# Altium PCB PowerElec.PcbDoc (part 2 of 2)
Units mm, origin at the board's own origin, x right, y up, seen from the top; angles counter-clockwise.
Board outline 168 x 71 mm, 4 copper layers (Top Layer, GND, PWR, Bottom Layer), stack 0.603 mm thick; 165 components, 62 nets, 478 pads, 737 vias.
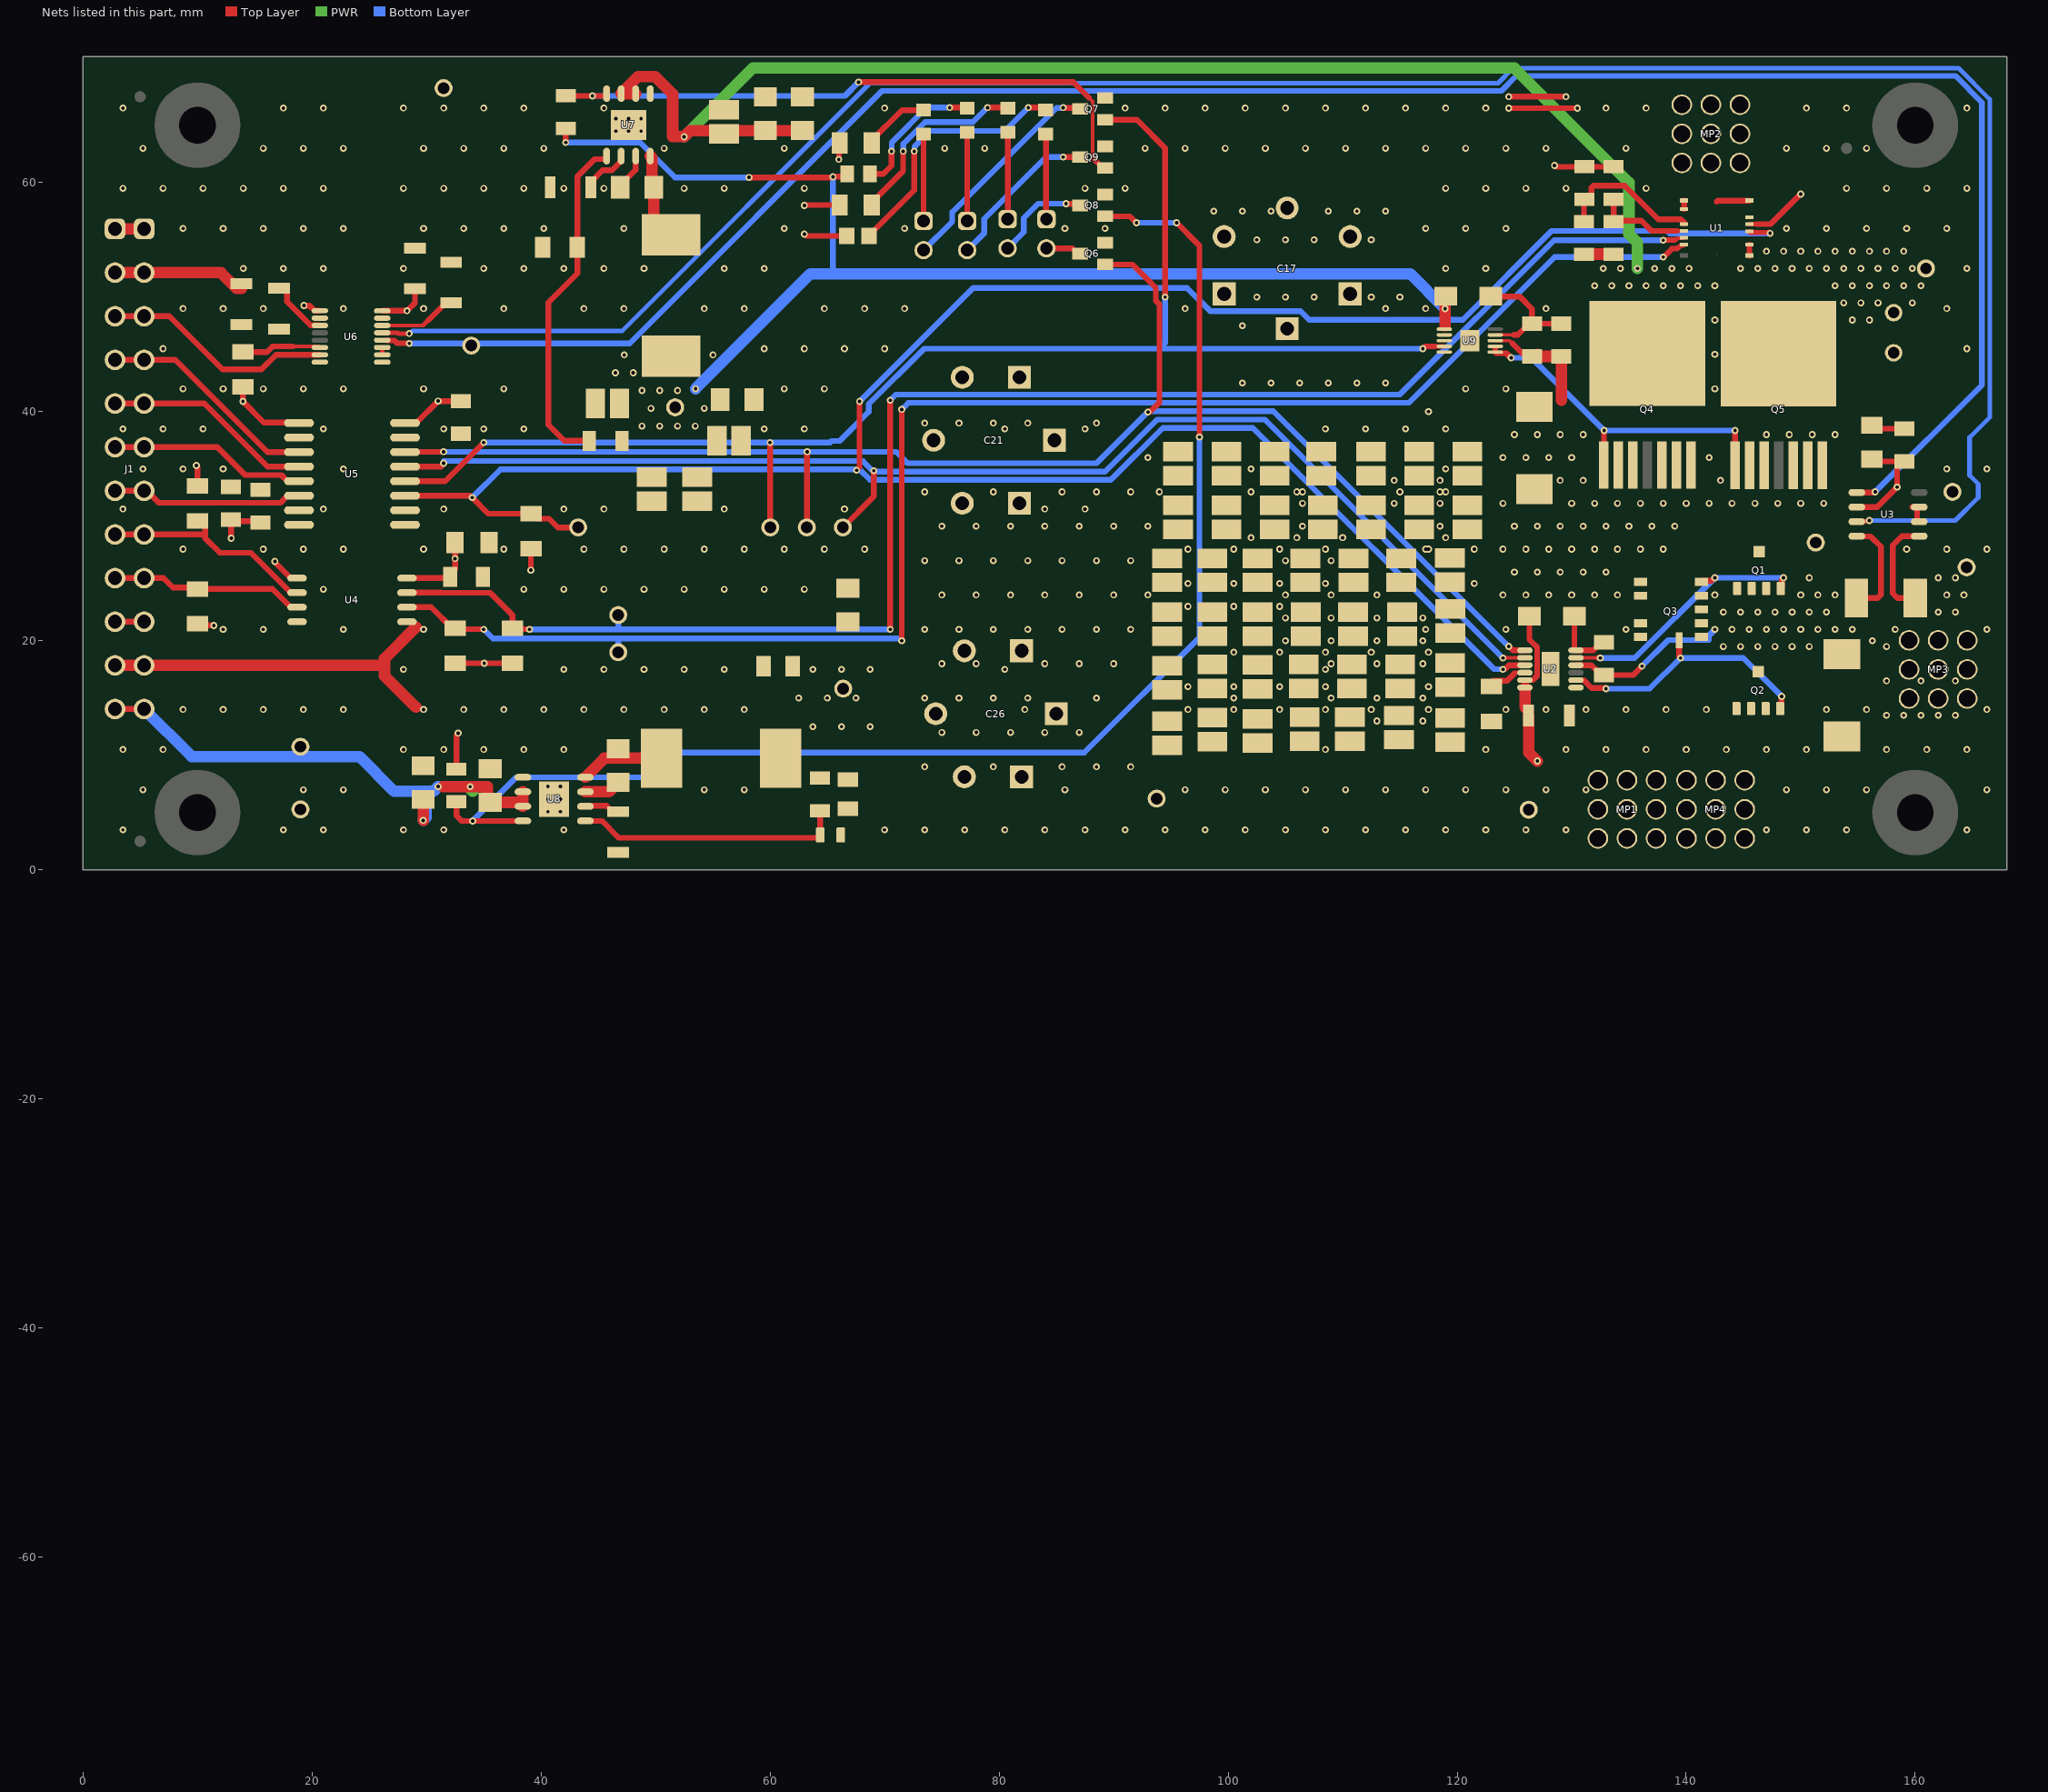
[diagram p3: the nets of this part, all layers, seen from the top]

## Part data
"5V ISO" +3V3 +11V MOT "P IN1" "P IN2" VBAT: library part CMP-00030-00004-2, "Cable Wrap, 1/2 Inch, Polyethylene, Natural, 50 Ft, Spirap Series"
AGND1 AGND2 AGND3 "GND ISO": library part CMP-00030-00001-2, "Test Point, Mini, Thm, Pc, .300 L, .100 Od, Heat Resistant Nylon 46, Black"
C1 C2 C3 C4 C5 C6 C7 C8 C9 C10 C11 C12 C14 C15 C16 C18 C19 C20 C22 C23 C24 C27 C28 C29 C30 C31 C32 C34 C35 C36 C38 C39 C40 C43 C44 C45 C46 C47 C48 C49 C50 C51 C62 C66 C67 C68 C69: library part CMP-001-00085-1, "50V 10uF X7S ±10% 1210 Multilayer Ceramic Capacitors MLCC - SMD/SMT ROHS"
C13 C42 C52 C53 C55 C56 C78 C79: library part CMP-001-00083-1, "Ceramic Capacitor, Multilayer, Ceramic, 200V, 10% +Tol, 10% -Tol, X7R, 15% TC, 0.01uF, 1206"
C17 C21 C26: library part CMP-001-00084-4, "Radial Can ALUMINUM ELECTROLYTIC CAPACITOR UVR 63V 4700muF ±20% 0.866Dia 22.00mm"
C25 C57 C58 C59 C60 C70 C77: library part CMP-001-00086-1, "Ceramic Capacitor, Multilayer, Ceramic, 50V, 10% +Tol, 10% -Tol, X7R, +-15% TC, 1uF, Surface Mount, 1206 inch"
C41 C54: library part CMP-001-00090-1, "Ceramic Capacitor, Multilayer, Ceramic, 500V, 10% +Tol, 10% -Tol, X7R, +-15% TC, 1nF, Surface Mount, 1206 inch"
C61 C63 C64 C65 C71 C72 C73 C74: library part CMP-001-00089-1, "50V 100nF X7R ±10% 1206 Multilayer Ceramic Capacitors MLCC - SMD/SMT ROHS"
C75 C76: library part CMP-001-00087-1, "Ceramic Capacitor, Multilayer, Ceramic, 10V, 20% +Tol, 20% -Tol, X5R, +-15% TC, 47uF, Surface Mount, 1206 inch"
D1 D2: library part CMP-004-00033-2, "Rectifier Diode, Schottky, 1 Phase, 1 Element, 2A, 100V V(RRM), Silicon, DO-214AA"
D3 D4: library part CMP-004-00035-1, "SMCJ Series 45.4 V 1.5 kW Surface Mount Uni-Directional TVS Diode - DO-214AB"
DS1 DS4: library part CMP-007-00037-1, "-40?~+85? 100mW 120° 2.6V~3.1V 430mcd 513nm~528nm 525nm 5mA Emerald Green 0805 LED Indication - Discrete ROHS"
DS2 DS3: library part CMP-002-00586-1, "25mA Colorless Transparent Lens 67mcd~195mcd -30?~+85? 615nm~630nm Independent Diode Red 130° 65mW 1.6V~2.6V 0805 LED..."
EN FAULT I_Sense PWM SCL SDA SOFT: library part CMP-00030-00002-2, "Test Point, Mini, Thm, Pc, .300 L, .100 Od, Heat Resistant Nylon 46, White"
FD1 FD2 FD3: library part CMP-00028-00005-2, "Fiducial - Round 1x2mm"
J1: library part CMP-002-00074-3, "Terminal Block, 3.81MM Pitch, Horizontal With Coding Finger, Tht, 12 Pins"
L1: library part CMP-006-00022-1, "Inductor Power Shielded Wirewound 22uH 20% 1KHz 23Q-Factor Ferrite 3.5A 0.043Ohm DCR T/R"
L2: library part CMP-006-00023-1, "Ind Power Shielded Wirewound 5.6uH 30% 100KHz 19Q-Factor Ferrite 6.7A T/R"
LG1: library part CMP-00028-00008-2, "SEM Logo Required for Power Electronics"
LG2 LG2.: library part CMP-00028-00009-2
MH1 MH2 MH3 MH4: library part CMP-00028-00007-2, "Hole for M3 bolt"
MP1 MP2 MP3 MP4: library part CMP-002-00075-3, "Pcb Terminal, Brass, Press-Fit Rohs Compliant: Yes"
P1 P2 P3 P4: library part CMP-002-00208-1, "WR-PHD Pin Header, THT, Vertical, pitch 2.54mm, 1 Row, 2P"
Q1 Q2: library part CMP-013-00029-7, "N-channel Logic Level MOSFET, 30 V, 300 A, -55 to 175 degC, 5-Pin SOT669, RoHS, Tape and Reel"
Q3: library part CMP-007-000000-2, "Small Signal Dual N-Channel Enhancement Transistor, Pin 1 Source, 2 Source, 3 Drain, 4 Drain, 5 Gate, 6 Drain, 7 Drain, 8 Source, 9 Source 10 Gate, 10 Pins"
Q4 Q5: library part CMP-00000-5, "Power MOSFET, N Channel, 60 V, 180 A, 0.0012 ohm, TO-263 (D2PAK), Surface Mount"
Q6 Q7 Q8 Q9: library part CMP-013-00021-4, "N-Channel Logic Level Enhancement Mode Field Effect Transistor, 220 mA, 50 V, -55 to 150 degC, 3-Pin SOT-23, RoHS, Tape and Reel"
R1 R2 R4 R5: library part CMP-009-00183-1, "Thick Film Resistors - SMD RMC 1206 1/4W 1% T/R-5000"
R3: library part CMP-009-00191-2, "Thick Film Resistors - SMD RMC 0805 1/8W 1% T/R-5000"
R6: library part CMP-009-00182-2, "Fixed Resistor, Metal Strip, 5W, 1ohm, 0.0707V, 1% +/-Tol, 100ppm/Cel, Surface Mount, 2512"
R7 R8 R9 R10 R11 R12 R13 R15: library part CMP-009-00184-2, "Res Thick Film 1206 10K Ohm 1% 0.25W(1/4W) ±100ppm/C Pad SMD T/R"
R14 R16 R22 R23: library part CMP-009-00185-1, "Fixed Resistor, Metal Glaze/thick Film, 0.25W, 100000ohm, 200V, 1% +/-Tol, 100ppm/Cel, Surface Mount, 1206"
R17: library part CMP-009-00188-1, "125mW Thick Film Resistors 150V ±100ppm/? ±1% 43kO 0805 Chip Resistor - Surface Mount ROHS"
R18 R20: library part CMP-009-00190-1, "250mW Thick Film Resistors 200V ±100ppm/? ±1% 300O 1206 Chip Resistor - Surface Mount ROHS"
R19: library part CMP-009-00193-2, "Res Thick Film 0805 3.9K Ohm 1% 0.125W(1/8W) ±100ppm/C Pad SMD T/R"
R21: library part CMP-009-00189-1, "Fixed Resistor, Wire Wound, 4W, 10ohm, 6.3246V, 5% +/-Tol, 400ppm/Cel, Through Hole Mount, 3228"
U1: library part CMP-004-000000-8, "85-V 16-bit I²C-output digital power monitor with 400-ÂµOhm EZShunt Technology 15-VQFN -40 to 125"
U2: library part CMP-00024-00008-3, "Driver 6A 2-OUT High Side/Low Side Half Brdg Inv/Non-Inv 12-Pin MSOP EP Tube"
U3: library part CMP-014-00003-5, "SP Amp Current Sense Amp Single 5.5V 8-Pin SOIC N Tube Automotive AEC-Q100"
U4: library part CMP-016-00010-2, "Ultra-Low Power, Bidirectional I2C Isolator with Extended VDD, Idle-Bus Hot-Swap and Low VOL"
U5: library part CMP-015-00009-2, "Digital Isolator CMOS 4-CH 10Mbps 16-Pin SOIC W Tube / DGTL ISO 3.75KV GEN PURP 16SOIC"
U6: library part CMP-014-00002-3, "High Stability Isolated Error Amplifier"
U7 U8: library part CMP-019-00051-2, "SIMPLE SWITCHER® 3.8V to 36V, 3A Synchronous Buck Converter With Ultra-Low EMI 8-SO PowerPAD -40 to 125"
U9: library part CMP-00024-00007-2, "RoHS Compliant PRODUCTION (Last Updated: 2weeks ago) MSOP IC Gate Driver"

## Via types
v1: diameter 0.6, hole 0.3, Top Layer to Bottom Layer, 652 vias
v2: diameter 0.61, hole 0.305, Top Layer to Bottom Layer, 85 vias

## Nets (pads, with @x,y where several pads share a name; then routed paths per layer and width w, separated by ;. In a path a pad name is that pad's centre, name@x,y a point inside that pad or via, vN(x,y) a via of type N, cw(c..) or ccw(c..) an arc to the next point about the centre after c; other vN are vias at no path point)
3V3_PG: Q8.1 R23.1 U8.4 | length 121.1
  Top Layer w0.5: R23.1@32.622,5.941 32.622,4.716 33.065,4.273 v2@34.29,4.273 ; v2(34.036,4.273) v2@34.29,4.273 ; U8.4@38.423,4.273 v2@34.29,4.273 ; Q8.1@89.266,57.057 91.414,57.057 91.97,56.5 v2(92,56.5) ; v2(95.5,56.5) 97.5,54.5 v2(97.5,37.777)
  Bottom Layer w0.5: v2(34.036,4.273) 37.845,8.082 49.585,8.082 51.736,10.233 87.449,10.233 97.5,20.284 v2(97.5,37.777) ; v2(92,56.5) v2(95.5,56.5)
11V_PG: Q9.1 R22.1 U7.4 | length 55
  Top Layer w0.292: 87.828,67.428 88.166,67.09 88.166,62.165 88.27,62.061
  Top Layer w0.5: R22.1@42.172,67.57 v2(44.5,67.57) 45.69,67.57 45.736,67.617 U7.4@45.736,67.761 ; v2(67.734,68.766) 86.49,68.766 87.828,67.428 ; 88.27,62.061 89.066,61.265 Q9.1@89.266,61.265
  Bottom Layer w0.5: v2(44.5,67.57) 66.538,67.57 v2(67.734,68.766)
+3V3: +3V3.1 C41.1 C42.1 C53.2 C54.2 C56.2 C58.2 C74.2 C75.2 C76.2 L2.2 R1.2 R2.2 R3.1 R8.2 R10.2 R12.2 R16.2 R18.1 R20.1 R23.2 U1.12 U3.6 U4.8 U5.16 U6.16 | length 67.3
  Top Layer w0.387: U1.12@145.516,56.377 146.137,56.377
  Top Layer w0.5: U6.16@26.142,48.805 v2(28.305,48.805) 29,49.5 C58.2@29,50.725 ; U5.16@28.125,39.01 29.104,39.01 v2(31.019,40.925) C56.2@33,40.925 ; U4.8@28.3,25.47 31.98,25.47 C53.2@32.075,25.565 32.075,25.815 32.5,26.24 v2(32.5,27.178) C54.2@32.5,28.565 ; R10.2@32.5,18.04 32.503,18.037 35.049,18.037 v2(35.052,18.034) 37.494,18.034 R8.2@37.5,18.04 ; R23.2@32.622,8.791 32.622,11.765 32.766,11.908 v2(32.766,11.938) ; v2(39.116,26.162) 39.116,28.015 R12.2@39.141,28.04 ; v2(63,55.5) 63.03,55.5 63.184,55.345 R3.1@66.706,55.345 ; v2(63,58) 63.03,58 63.079,58.049 R18.1@66.081,58.049 ; v2(66,62.022) 66.021,62.043 66.021,63.397 R20.1@66.081,63.457 ; C74.2@67.232,21.639 C74.2@67.432,21.839 ; v2(124.5,66.5) v2(130.5,66.5) ; v2(124.5,67.5) v2(129.5,67.5) ; v2(128.5,61.5) 128.53,61.5 128.648,61.382 R2.2@131.112,61.382 R1.2@133.666,61.382 ; 146.137,56.377 147.377,56.377 v2(150,59) ; U3.6@154.896,31.67 156.67,31.67 v2(158.418,33.418) 158.418,35.284 158.793,35.659 C42.1@159.043,35.659 156.413,35.659 C41.1@156.21,35.862
  other v1: 63.75,12.5 66.25,12.5 68.75,12.5 62.5,15 65,15 67.5,15 63.75,17.5 66.25,17.5 68.75,17.5
"+5V ISO": "5V ISO.1" C52.2 C55.2 C59.2 J1.2A J1.2B R9.2 R11.2 R13.2 U4.1 U5.1 U6.1 | length 30.3
  Top Layer w0.5: v2(9.906,35.306) 9.906,35.276 10,35.182 R9.2@10,33.525 ; R11.2@10,21.475 10.118,21.357 11.409,21.357 v2(11.43,21.336) ; v2(12.954,28.956) 12.954,30.565 C52.2@12.94,30.579 13.067,30.452 15.367,30.452 C55.2@15.494,30.325 ; R13.2@13.97,42.163 v2(13.97,40.894) 15.815,39.049 18.837,39.049 U5.1@18.875,39.01 ; v2(16.764,26.924) 16.785,26.903 16.785,26.835 18.15,25.47 U4.1@18.7,25.47 ; v2(19.304,49.276) 19.325,49.255 19.792,49.255 20.241,48.805 U6.1@20.691,48.805
  Top Layer w1: J1.2B@2.81,52.145 12.051,52.145 13.421,50.775 C59.2@13.846,50.775
+11V: +11V.1 C25.2 C65.2 C66.2 C67.2 C68.2 C69.2 C72.2 C73.2 D1.2 D2.2 J1.12A J1.12B L1.2 R14.2 R19.2 R22.2 U2.5 U2.6 U8.2 U8.3 U9.1 | length 169.2
  Top Layer w0.421: U9.1@118.876,47.203 U9.1@118.941,47.268
  Top Layer w0.496: U2.5@125.92,16.566 126.596,16.566 126.982,16.952 126.982,19.43 126.607,19.806
  Top Layer w0.5: J1.12B@2.81,14.045 J1.12A@5.35,14.045 ; v2(42.164,63.5) 42.164,64.712 R22.2@42.172,64.72 ; v2(58.166,60.452) 65.422,60.452 65.47,60.5 v2(65.5,60.5) 65.521,60.521 66.498,60.521 R19.2@66.731,60.753 ; U2.6@125.92,15.916 U2.5@125.92,16.566 ; D1.2@126.305,22.146 126.305,20.108 126.607,19.806
  Top Layer w0.551: U9.1@118.941,47.268 118.941,47.492
  Top Layer w1: v2(29.718,4.318) C73.2@29.718,6.145 ; 31.435,7.27 33.81,7.27 v2(33.818,7.262) 35.306,7.262 35.306,6.145 C72.2@35.56,5.891 38.05,5.891 38.398,5.543 38.423,5.568 U8.2@38.423,6.813 ; 118.941,47.492 v2(118.941,49) 118.941,50.016 D2.2@119.007,50.082 ; U2.6@125.92,15.916 125.92,14.208 C25.2@126.216,13.912 ; C25.2@126.241,13.462 126.241,10.259 v2(127,9.5)
  PWR w1: v2(33.818,7.262) 33.818,7.076 34.036,6.858
  Bottom Layer w0.5: v2(42.164,63.5) 48.656,63.5 51.704,60.452 v2(58.166,60.452) ; 65.5,52.039 v2(65.5,60.5)
  Bottom Layer w1: J1.12A@5.35,14.045 9.506,9.889 12.054,9.889 15.785,9.889 24.147,9.889 27.178,6.858 30.606,6.858 v2(31.018,7.27) ; v2(29.718,4.318) 29.959,4.559 29.959,6.591 30.226,6.858 ; v2(53.5,42) 63.539,52.039 65.5,52.039 98.344,52.039 100.968,52.039 109.344,52.039 111.968,52.039 115.902,52.039 v2(118.941,49)
  other v1: 48.825,38.75 50.375,38.75 51.925,38.75 53.475,38.75 49.6,40.3 54.25,40.3 48.825,41.85 50.375,41.85 51.925,41.85 46.5,43.4 48.05,43.4 47.275,44.95 55.025,44.95
\F\A\U\L\T\: FAULT.1 R12.1 U1.11 U2.3 U5.11 | length 216.4
  Top Layer w0.456: U1.11@145.516,55.727 145.595,55.649 v2@147.21,55.649
  Top Layer w0.5: U5.11@28.125,32.66 33.81,32.66 33.97,32.5 v2(34,32.5) 35.41,31.09 R12.1@39.141,31.09 39.566,30.665 40.698,30.665 41.467,29.896 FAULT.1@43.25,29.896 ; v2(67.564,34.882) 67.564,34.912 67.818,35.166 v2(67.818,40.894) ; v2(124,17.5) 124.021,17.521 124.165,17.521 124.51,17.866 U2.3@125.92,17.866 ; v2@147.21,55.649 147.29,55.569 v2(147.32,55.569)
  Bottom Layer w0.5: v2(34,32.5) 36.463,34.963 67.809,34.963 68.729,34.043 89.754,34.043 94.297,38.586 102.155,38.586 123.22,17.521 123.979,17.521 v2(124,17.5) ; v2(67.818,40.894) 77.733,50.809 96.419,50.809 98.447,48.781 106.332,48.781 107.091,48.021 120.491,48.021 128.247,55.777 138.335,55.777 138.544,55.569 v2(147.32,55.569)
"\F\A\U\L\T\ \I\S\O\": J1.7A J1.7B U5.6 | length 16.8
  Top Layer w0.5: J1.7B@2.81,33.095 J1.7A@5.35,33.095 5.586,33.095 6.635,32.046 17.256,32.046 17.871,32.66 U5.6@18.875,32.66
AGND: AGND1.1 AGND2.1 AGND3.1 C1.2 C2.1 C3.2 C4.2 C5.1 C6.2 C7.2 C8.1 C9.2 C10.2 C11.1 C12.2 C14.2 C15.1 C16.2 C17.2 C18.2 C19.1 C20.2 C21.2 C22.2 C23.1 C24.2 C25.1 C26.2 C27.2 C28.1 C29.2 C30.2 C31.1 C32.2 C34.2 C35.1 C36.2 C38.2 C39.1 C40.2 C41.2 C42.2 C43.2 C44.1 C45.2 C46.2 C47.1 C48.2 C49.2 C50.1 C51.2 C53.1 C54.1 C56.1 C57.1 C58.1 C62.1 C63.1 C64.1 C65.1 C66.1 C67.1 C68.1 C69.1 C70.1 C72.1 C73.1 C74.1 C75.1 C76.1 C77.1 D3.1 D4.1 J1.11A J1.11B MP1.1 MP4.1 Q2.1 Q2.2 Q2.3 Q3.8 Q3.9 Q6.2 Q7.2 Q8.2 Q9.2 R4.1 R5.1 R7.1 R15.1 R17.1 U1.13 U2.7 U2.13 U3.2 U3.3 U4.5 U5.9 U5.10 U5.15 U6.9 U6.15 U7.1 U7.9 U8.1 U8.9 U9.2 U9.3 U9.5 U9.11 | length 40.1
  Top Layer w0.5: C41.2@156.21,38.814 156.515,38.509 C42.2@159.043,38.509 ; U3.3@159.74,31.67 160.165,31.67 U3.2@160.165,30.4
  Top Layer w1: J1.11B@2.81,17.855 J1.11A@5.35,17.855 26.341,17.855 ; 29.086,14.194 26.341,16.939 26.341,17.855 ; 29.086,21.194 26.341,18.449 26.341,17.855 ; R5.1@131.066,53.752 R4.1@133.666,53.752
  other v1: 28,3.5 31.5,3.5 42,3.5 70,3.5 73.5,3.5 77,3.5 80.5,3.5 84,3.5 87.5,3.5 91,3.5 94.5,3.5 98,3.5 101.5,3.5 105,3.5 108.5,3.5 112,3.5 115.5,3.5 119,3.5 122.5,3.5 126,3.5 129.5,3.5 147,3.5 150.5,3.5 154,3.5 164.5,3.5 40.598,5.078 41.698,5.078 40.598,6.178 41.698,6.178 54.25,7 57.75,7 85.75,7 96.25,7 99.75,7 103.25,7 106.75,7 110.25,7 113.75,7 117.25,7 120.75,7 124.25,7 127.75,7 131.25,7 148.75,7 152.25,7 155.75,7 166.25,7 40.598,7.278 41.698,7.278 28,10.5 31.5,10.5 35,10.5 38.5,10.5 42,10.5 108.5,10.5 122.5,10.5 129.5,10.5 133,10.5 136.5,10.5 140,10.5 143.5,10.5 147,10.5 150.5,10.5 157.5,10.5 161,10.5 164.5,10.5 29.75,14 33.25,14 36.75,14 40.25,14 43.75,14 47.25,14 50.75,14 54.25,14 57.75,14 82.25,14 124.25,14 127.75,14 131.25,14 134.75,14 138.25,14 141.75,14 152.25,14 155.75,14 166.25,14 28,17.5 42,17.5 45.5,17.5 49,17.5 52.5,17.5 56,17.5 80.5,17.5 108.5,17.5 109,18 113,18 117,18 100.5,19 104.5,19 108.5,19 112.5,19 117.5,19 105,20 109,20 113,20 117,20 156.25,20 29.75,21 117.25,21 124.25,21 134.75,21 166.25,21 38.5,24.5 42,24.5 45.5,24.5 49,24.5 52.5,24.5 56,24.5 59.5,24.5 63,24.5 105,27 109,27 29.75,28 36.75,28 43.75,28 47.25,28 50.75,28 54.25,28 57.75,28 61.25,28 64.75,28 68.25,28 96.5,28 100.5,28 104.5,28 108.5,28 117.25,28 117.5,28 121.5,28 159.25,28 162.75,28 166.25,28 102,29 106,29 110,29 119,29 106.5,30 118.5,30 31.5,31.5 42,31.5 45.5,31.5 56,31.5 66.5,31.5 84,31.5 87.5,31.5 162.75,35 166.25,35 31.5,38.5 35,38.5 38.5,38.5 59.5,38.5 63,38.5 80.5,38.5 87.5,38.5 108.5,38.5 112,38.5 115.5,38.5 119,38.5 117.5,40 29.75,42 36.75,42 61.25,42 64.75,42 120.75,42 124.25,42 101.25,42.5 103.75,42.5 106.25,42.5 108.75,42.5 111.25,42.5 113.75,42.5 59.5,45.5 63,45.5 66.5,45.5 70,45.5 164.5,45.5 101.25,47.5 29.75,49 36.75,49 43.75,49 47.25,49 54.25,49 57.75,49 64.75,49 68.25,49 71.75,49 96.25,49 113.75,49 117.25,49 127.75,49 162.75,49 102.5,50 105,50 107.5,50 112.5,50 115,50 28,52.5 35,52.5 38.5,52.5 42,52.5 45.5,52.5 49,52.5 56,52.5 59.5,52.5 119,52.5 122.5,52.5 164.5,52.5 29.75,56 33.25,56 36.75,56 40.25,56 47.25,56 61.25,56 71.75,56 85.75,56 89.25,56 117.25,56 120.75,56 124.25,56 148.75,56 152.25,56 155.75,56 159.25,56 162.75,56 28,59.5 31.5,59.5 35,59.5 38.5,59.5 42,59.5 45.5,59.5 52.5,59.5 56,59.5 63,59.5 87.5,59.5 91,59.5 119,59.5 122.5,59.5 126,59.5 129.5,59.5 136.5,59.5 154,59.5 157.5,59.5 161,59.5 164.5,59.5 29.75,63 33.25,63 36.75,63 40.25,63 50.75,63 61.25,63 75.25,63 78.75,63 92.75,63 96.25,63 99.75,63 103.25,63 106.75,63 110.25,63 113.75,63 117.25,63 120.75,63 124.25,63 127.75,63 134.75,63 148.75,63 152.25,63 155.75,63 46.541,64.486 47.641,64.486 48.741,64.486 46.541,65.586 47.641,65.586 48.741,65.586 28,66.5 31.5,66.5 35,66.5 38.5,66.5 45.5,66.5 70,66.5 91,66.5 94.5,66.5 98,66.5 101.5,66.5 105,66.5 108.5,66.5 112,66.5 115.5,66.5 119,66.5 122.5,66.5 133,66.5 136.5,66.5 150.5,66.5 154,66.5 164.5,66.5
BG: Q2.4 Q3.10 U2.8 | length 23.5
  Top Layer w0.5: U2.8@130.37,16.566 131.05,16.566 131.741,15.875 132.916,15.875 132.97,15.821 v2(133,15.821) ; Q3.10@139.375,20.034 139.375,18.655 139.5,18.53 v2(139.5,18.5) ; Q2.4@148.209,14.079 148.309,14.179 148.309,15.086 148.338,15.116 v2(148.338,15.145)
  Bottom Layer w0.5: v2(133,15.821) 136.821,15.821 v2(139.5,18.5) 144.984,18.5 v2(148.338,15.145)
EN_ISO: J1.5A J1.5B U5.4 | length 18.3
  Top Layer w0.5: J1.5B@2.81,40.715 J1.5A@5.35,40.715 10.593,40.715 16.108,35.2 U5.4@18.875,35.2
G_soft: Q4.1 Q5.1 U9.6 U9.7 | length 30.3
  Top Layer w0.284: U9.7@123.326,45.594 U9.7@123.326,45.703
  Top Layer w0.5: U9.7@123.326,45.594 U9.6@123.326,45.203 123.426,45.103 124.286,45.103 124.684,44.704 v2(124.714,44.704) ; Q4.1@132.802,35.338 132.822,35.358 132.822,38.334 v2(132.842,38.354) ; Q5.1@144.257,35.327 144.264,35.335 144.264,38.346 v2(144.272,38.354)
  Bottom Layer w0.5: v2(124.714,44.704) 126.492,44.704 v2(132.842,38.354) v2(144.272,38.354)
"GND ISO": "GND ISO.1" C52.1 C55.1 C59.1 C60.1 J1.1A J1.1B U4.4 U5.2 U5.7 U5.8 U6.2 U6.8 | length 2.5
  Top Layer w1: J1.1B@2.81,55.955 J1.1A@5.35,55.955
  other v1: 3.5,3.5 17.5,3.5 21,3.5 5.25,7 19.25,7 22.75,7 3.5,10.5 7,10.5 8.75,14 12.25,14 15.75,14 19.25,14 22.75,14 12.25,21 15.75,21 22.75,21 21,24.5 8.75,28 15.75,28 19.25,28 22.75,28 3.5,31.5 21,31.5 5.25,35 8.75,35 12.25,35 22.75,35 3.5,38.5 7,38.5 10.5,38.5 21,38.5 8.75,42 12.25,42 15.75,42 19.25,42 22.75,42 7,45.5 8.75,49 12.25,49 15.75,49 22.75,49 14,52.5 17.5,52.5 21,52.5 8.75,56 12.25,56 15.75,56 19.25,56 22.75,56 3.5,59.5 7,59.5 10.5,59.5 14,59.5 17.5,59.5 21,59.5 5.25,63 15.75,63 19.25,63 22.75,63 3.5,66.5 17.5,66.5 21,66.5
"I_sense ISO": J1.3A J1.3B U6.7 | length 20.3
  Top Layer w0.5: J1.3B@2.81,48.335 J1.3A@5.35,48.335 7.545,48.335 12.192,43.688 15.586,43.688 16.863,44.965 U6.7@20.691,44.965
NetC13_2: C13.2 D1.1 U2.12 | length 5.9
  Top Layer w0.5: D1.1@130.235,22.146 130.235,19.166 U2.12@130.37,19.166 131.886,19.166 132.574,19.854 C13.2@132.824,19.854
NetC57_2: C57.2 U6.14 | length 6.8
  Top Layer w0.295: U6.14@26.142,47.525 29.705,47.525 29.757,47.578
  Top Layer w0.4: 29.757,47.578 30.176,47.997
  Top Layer w0.5: 30.176,47.997 31.679,49.5 C57.2@32.154,49.5
NetC60_2: C60.2 U6.3 | length 5.5
  Top Layer w0.5: C60.2@17.124,50.775 17.599,50.775 17.824,50.55 17.824,49.612 19.886,47.55 20.666,47.55 U6.3@20.691,47.525
NetC61_1: C61.1 U7.7 | length 3.3
  Top Layer w0.5: C61.1@46.909,59.581 46.909,59.756 48.257,61.104 48.257,62.292 U7.7@48.276,62.311
NetC61_2: C61.2 L1.1 U7.8 | length 7.7
  Top Layer w1: U7.8@49.546,62.311 49.702,62.154 49.702,59.738 C61.2@49.859,59.581 49.859,56.742 51.159,55.442 L1.1@51.356,55.442
NetC70_2: C70.2 U7.6 | length 4.3
  Top Layer w0.5: C70.2@44.355,59.581 44.355,60.056 45.38,61.082 45.871,61.082 45.875,61.085 46.206,61.085 47.006,61.886 U7.6@47.006,62.311
NetC71_1: C71.1 U8.7 | length 3.2
  Top Layer w1: U8.7@43.873,6.813 45.929,6.813 C71.1@46.736,7.62
NetC71_2: C71.2 L2.1 U8.8 | length 7.3
  Top Layer w1: U8.8@43.873,8.083 45.547,9.758 L2.1@50.515,9.758
NetC77_2: C77.2 U8.6 | length 2.5
  Top Layer w0.5: U8.6@43.942,5.588 45.72,5.588 C77.2@46.228,5.08
NetC78_2: C78.2 C79.2 D2.1 U9.9 | length 11.4
  Top Layer w0.289: U9.9@123.326,46.703 124.954,46.703
  Top Layer w0.5: D2.1@123.062,50.038 125.476,50.038 126.537,48.977 C79.2@126.537,47.678 ; 124.954,46.703 125.311,46.703 126.287,47.678 C79.2@126.537,47.678 ; C78.2@129.091,47.678 C79.2@126.537,47.678
NetDS1_1: DS1.1 R3.2 | length 22.3
  Top Layer w0.5: R3.2@68.656,55.345 68.656,55.395 72.597,59.337 v2(72.597,62.738) ; v2(82.55,66.548) 82.567,66.565 84.057,66.565 DS1.1@84.074,66.582
  Bottom Layer w0.5: v2@72.597,62.768 72.618,62.789 72.618,63.163 73.971,64.516 80.518,64.516 v2(82.55,66.548)
NetDS1_2: DS1.2 P1.1 | length 7.7
  Top Layer w0.5: DS1.2@84.074,64.482 84.106,64.45 84.106,56.834 P1.1@84.139,56.801
NetDS2_1: DS2.2 R18.2 | length 16.9
  Top Layer w0.5: R18.2@68.881,58.049 68.881,58.274 71.628,61.021 v2(71.628,62.738) ; v2(78.994,66.548) 79.011,66.565 80.755,66.565 DS2.2@80.772,66.582
  Bottom Layer w0.5: v2(71.628,62.738) 71.649,62.759 71.649,63.393 73.534,65.278 77.724,65.278 v2(78.994,66.548)
NetDS2_2: DS2.1 P2.1 | length 7.4
  Top Layer w0.5: P2.1@80.745,56.801 80.758,56.815 80.758,64.214 DS2.1@80.772,64.228
NetDS3_1: DS3.2 R19.1 | length 12.1
  Top Layer w0.5: R19.1@68.731,60.753 69.897,60.753 70.612,61.468 v2(70.612,62.738) ; v2(75.692,66.548) 77.171,66.548 DS3.2@77.216,66.503
  Bottom Layer w0.5: v2(70.612,62.738) 70.633,62.759 70.633,63.521 73.66,66.548 v2(75.692,66.548)
NetDS3_2: DS3.1 P3.1 | length 7.8
  Top Layer w0.5: P3.1@77.216,56.642 DS3.1@77.216,64.482
NetDS4_1: DS4.1 R20.2 | length 5.8
  Top Layer w0.5: R20.2@68.881,63.457 68.881,63.682 71.526,66.328 DS4.1@73.406,66.328
NetDS4_2: DS4.2 P4.1 | length 7.6
  Top Layer w0.5: P4.1@73.406,56.642 DS4.2@73.406,64.228
NetEN_1: EN.1 U2.2 U5.13 | length 115.4
  Top Layer w0.343: v2@124.13,18.516 U2.2@125.92,18.516
  Top Layer w0.5: U5.13@28.125,35.2 31.27,35.2 31.27,35.24 31.5,35.47 v2(31.5,35.5) ; EN.1@66.36,29.896 69.064,32.6 v2(69.064,34.852) ; v2(124,18.5) 124.016,18.516 v2@124.13,18.516
  Bottom Layer w0.5: v2(31.5,35.5) 31.691,35.691 31.5,35.691 68.111,35.691 69.03,34.771 89.271,34.771 93.814,39.314 103.186,39.314 v2(124,18.5)
NetI_Sense_1: I_Sense.1 U3.5 U6.12 | length 189.9
  Top Layer w0.374: U6.12@26.142,46.245 26.461,46.245 U6.12@26.486,46.22
  Top Layer w0.473: U6.12@26.486,46.22 26.5,46.207 27.215,46.207
  Top Layer w0.5: 27.215,46.207 27.445,45.977 28.479,45.977 v2(28.5,45.956) ; U3.5@154.896,32.94 156.41,32.94 156.47,33 v2(156.5,33)
  Bottom Layer w0.5: v2(28.5,45.956) 33.604,45.956 47.734,45.956 69.778,68 123.856,68 125.178,69.321 157.143,69.321 163.5,69.321 165.821,67 165.821,42.321 v2(156.5,33)
NetJ1_10: J1.10A J1.10B | length 2.5
  Top Layer w0.5: J1.10B@2.81,21.665 J1.10A@5.35,21.665
NetMOT_1: MOT.1 MP3.1 R6.2 U3.1 | length 8.8
  Top Layer w0.5: R6.2@160.015,23.735 158.44,23.735 158.04,24.135 158.04,28.335 158.835,29.13 U3.1@160.165,29.13
  other v1: 157.5,13.5 159,13.5 160.5,13.5 162,13.5 163.5,13.5 157.5,16.5 160.5,16.5 163.5,16.5 157.5,19.5 158.25,21 162,22.5 163.5,22.5 162.75,24 164.25,24 162,25.5 163.5,25.5
NetMP2_1: "U1. "@142.666,58.332 MP2.1 U1.14 | length 2.9
  Top Layer w0.5: 142.666,58.332 142.762,58.427 U1.14@145.516,58.427
NetP1_2: P1.2 Q6.3 | length 3.1
  Top Layer w0.5: P1.2@84.139,54.261 86.403,54.261 86.866,53.798 Q6.3@87.066,53.798
NetP2_2: P2.2 Q8.3 | length 8.7
  Top Layer w0.5: v2(85.852,58.166) 85.873,58.145 86.928,58.145 Q8.3@87.066,58.007
  Bottom Layer w0.5: P2.2@80.745,54.261 82.16,55.676 82.16,56.901 83.425,58.166 v2(85.852,58.166)
NetP3_2: P3.2 Q9.3 | length 14
  Top Layer w0.5: v2(85.598,62.23) 85.605,62.223 87.059,62.223 Q9.3@87.066,62.215
  Bottom Layer w0.5: P3.2@77.216,54.102 78.698,55.584 78.698,56.833 84.095,62.23 v2(85.598,62.23)
NetP4_2: P4.2 Q7.3 | length 19.3
  Top Layer w0.5: v2(85.598,66.548) 85.619,66.527 86.963,66.527 Q7.3@87.066,66.424
  Bottom Layer w0.5: P4.2@73.406,54.102 75.912,56.608 75.912,57.416 85.023,66.527 85.577,66.527 v2(85.598,66.548)
NetR1_1: R1.1 R4.2 U1.4 | length 8.5
  Top Layer w0.305: 139.196,55.777 U1.4@139.816,55.777
  Top Layer w0.5: R1.1@133.666,58.532 R4.2@133.666,56.602 133.738,56.674 136.081,56.674 136.978,55.777 139.196,55.777
NetR2_1: R2.1 R5.2 U1.3 | length 13
  Top Layer w0.387: U1.3@139.816,56.377 U1.3@139.816,56.434
  Top Layer w0.5: R5.2@131.066,56.602 131.066,58.486 R2.1@131.112,58.532 131.412,58.532 131.737,58.857 131.737,59.569 131.89,59.722 134.639,59.722 137.56,56.801 139.524,56.801 139.816,56.508 U1.3@139.816,56.434
NetR7_2: R7.2 U2.4 | length 3.1
  Top Layer w0.343: 125.003,17.138 125.081,17.216 U2.4@125.92,17.216
  Top Layer w0.5: R7.2@123.103,16.5 124.365,16.5 125.003,17.138
NetR13_1: R13.1 U6.6 | length 7
  Top Layer w0.323: 18.357,45.694 20.603,45.694 U6.6@20.691,45.605
  Top Layer w0.5: R13.1@13.97,45.213 16.08,45.213 16.561,45.694 18.357,45.694
NetR14_1: R14.1 R15.2 U7.5 | length 30.3
  Top Layer w0.5: R14.1@44.22,37.459 42.043,37.459 40.64,38.862 40.64,49.53 43.182,52.072 R15.2@43.182,54.356 43.182,60.547 44.686,62.05 45.69,62.05 45.736,62.097 U7.5@45.736,62.311
NetR16_1: R16.1 R17.2 U8.5 | length 23.5
  Top Layer w0.5: U8.5@43.873,4.273 45.327,4.273 46.806,2.794 64.258,2.794 64.388,2.924 R17.2@64.388,3.048 64.388,5.139 R16.1@64.348,5.179
NetU1_1: U1.1 U1.2 | length 0.8
  Top Layer w0.5: U1.2@139.816,57.677 U1.1@139.816,58.427
NetU1_9: U1.9 U1.10 | length 0.9
  Top Layer w0.5: U1.9@145.516,53.627 U1.10@145.516,54.577
NetU3_7: U3.7 U6.13 | length 198.4
  Top Layer w0.4: U6.13@26.169,46.885 27.496,46.885 27.562,46.819 v2(28.5,46.819) ; U3.7@154.896,30.4 154.934,30.438 155.881,30.438 155.943,30.5 v2(156,30.5)
  Bottom Layer w0.4: v2(28.5,46.819) 28.557,46.819 28.778,47.04 47.08,47.04 68.719,68.679 123.575,68.679 124.897,70 157.424,70 163.781,70 166.5,67.281 166.5,39.498 164.746,37.744 164.746,34.438 165.5,33.684 165.5,32.5 163.5,30.5 v2(156,30.5)
NetU6_10: U6.10 U6.11 | length 0.6
  Top Layer w0.4: U6.10@26.142,44.965 U6.11@26.142,45.605
P_IN: "P IN1.1" "P IN2.1" C1.1 C2.2 C3.1 C4.1 C5.2 C6.1 C7.1 C8.2 C9.1 C10.1 C11.2 C12.1 C14.1 C15.2 C16.1 C17.1 C18.1 C19.2 C20.1 C21.1 C22.1 C23.2 C24.1 C26.1 C27.1 C28.2 C29.1 C30.1 C31.2 C32.1 C34.1 C35.2 C36.1 C38.1 C39.2 C40.1 C43.1 C44.2 C45.1 C46.1 C47.2 C48.1 C49.1 C50.2 C51.1 C78.1 C79.1 D3.2 Q1.5 Q3.6 Q3.7 Q4.2 Q4.3 Q4.5 Q4.6 Q4.7 Q5.2 Q5.3 Q5.5 Q5.6 Q5.7 R21.1 U9.8 | length 9.7
  Top Layer w0.254: U9.8@123.326,46.203 123.329,46.2 124.6,46.2 124.829,45.971
  Top Layer w0.5: 124.829,45.971 125.9,44.9 C79.1@126.5,44.9
  Top Layer w1: C79.1@127,45 127.172,44.828 C78.1@129.091,44.828 129.1,44.819 129.1,41
  other v1: 73.5,9 79.5,9 85.5,9 88.5,9 91.5,9 75,12 78,12 81,12 84,12 87,12 113,13 117,13 96.5,14 100.5,14 104.5,14 108.5,14 112.5,14 117.5,14 73.5,15 76.5,15 79.5,15 82.5,15 88.5,15 100.5,15 109,15 113,15 117,15 96.5,16 100.5,16 104.5,16 108.5,16 117.5,16 75,18 78,18 84,18 87,18 90,18 73.5,21 76.5,21 79.5,21 82.5,21 85.5,21 88.5,21 91.5,21 105,22 109,22 113,22 117,22 96.5,23 100.5,23 104.5,23 75,24 78,24 81,24 84,24 87,24 90,24 93,24 105,24 105,24 109,24 113,24 124,24 126,24 128,24 130,24 132,24 134,24 96.5,25 100.5,25 104.5,25 108.5,25 121.5,25 125,26 127,26 129,26 131,26 133,26 73.5,27 76.5,27 79.5,27 82.5,27 85.5,27 88.5,27 91.5,27 124,28 126,28 128,28 130,28 132,28 134,28 136,28 138,28 75,30 78,30 81,30 84,30 87,30 90,30 93,30 125,30 127,30 129,30 131,30 133,30 135,30 137,30 139,30 106.5,32 114.5,32 118.5,32 124,32 130,32 132,32 134,32 136,32 138,32 140,32 142,32 144,32 146,32 148,32 150,32 152,32 73.5,33 79.5,33 85.5,33 88.5,33 91.5,33 94,33 102,33 106,33 106.5,33 115,33 118.5,33 119,33 114.5,34 118.5,34 129,34 131,34 143,34 102,35 119,35 93,36 124,36 126,36 128,36 130,36 142,36 125,38 127,38 129,38 131,38 147,38 149,38 151,38 153,38 73.5,39 76.5,39 79.5,39 82.5,39 88.5,39 102.5,55 105,55 107.5,55 112.5,55 98.75,57.5 101.25,57.5 103.75,57.5 108.75,57.5 111.25,57.5 113.75,57.5
PWM: PWM.1 Q6.1 U2.1 U5.14 | length 132
  Top Layer w0.5: U5.14@28.125,36.47 28.14,36.485 31.485,36.485 v2(31.5,36.5) ; PWM.1@63.215,29.972 63.233,29.989 63.233,36.483 v2(63.25,36.5) ; Q6.1@89.266,52.848 91.652,52.848 93.691,50.809 93.691,49.665 94,49.356 94,40.808 93.192,40 93.067,40 93.03,39.963 v2(93,39.963) ; v2(124.5,19.5) 124.53,19.5 124.863,19.166 U2.1@125.92,19.166
  Bottom Layer w0.5: v2(31.5,36.5) 71,36.5 72,35.5 88.508,35.5 92.97,39.963 93.03,39.963 93.11,40.043 103.957,40.043 v2(124.5,19.5)
PWM_ISO: J1.4A J1.4B U5.3 | length 19.4
  Top Layer w0.5: J1.4B@2.81,44.525 J1.4A@5.35,44.525 8.053,44.525 16.108,36.47 U5.3@18.875,36.47
SCL: R10.1 SCL.1 U1.6 U4.6 | length 140.1
  Top Layer w0.357: U1.6@139.752,54.521 139.76,54.521 U1.6@139.816,54.577
  Top Layer w0.441: 139.178,54.261 139.22,54.261 139.264,54.305 139.312,54.305 139.528,54.521 U1.6@139.752,54.521
  Top Layer w0.5: U4.6@28.3,22.93 30.41,22.93 32.25,21.09 R10.1@32.5,21.09 32.569,21.021 34.979,21.021 v2(35,21) ; v2(71.5,20) v2(71.5,40.191) ; v2(138,53.5) 138.03,53.5 138.758,54.228 139.146,54.228 139.178,54.261
  Bottom Layer w0.5: v2(35,21) 35.809,20.191 46.75,20.191 ; SCL.1@46.75,19 46.75,20.191 ; v2(71.5,20) 71.47,20 71.279,20.191 46.75,20.191 ; v2(71.5,40.191) 72.08,40.771 115.771,40.771 128.5,53.5 v2(138,53.5)
SCL_ISO: J1.9A J1.9B R11.1 U4.3 | length 16.9
  Top Layer w0.5: J1.9B@2.81,25.475 J1.9A@5.35,25.475 7.037,25.475 7.874,24.638 9.887,24.638 R11.1@10,24.525 16.555,24.525 18.15,22.93 U4.3@18.7,22.93
SDA: R8.1 SDA.1 U1.5 U4.7 | length 140.6
  Top Layer w0.315: 139.11,55.049 139.198,55.049 139.29,55.141 139.459,55.141 139.78,55.141 U1.5@139.816,55.177
  Top Layer w0.44: 139.008,54.99 139.067,55.049 139.11,55.049
  Top Layer w0.5: U4.7@28.3,24.2 31.227,24.2 31.241,24.186 35.56,24.186 37.5,22.246 R8.1@37.5,21.09 37.57,21.021 38.979,21.021 v2(39,21) ; v2(70.5,21) v2(70.5,41) ; v2(138,54.969) 138.021,54.99 139.008,54.99
  Bottom Layer w0.5: v2(39,21) 46.75,21 ; SDA.1@46.75,22.25 46.75,21 ; v2(70.5,21) 46.75,21 ; v2(70.5,41) 71,41.5 115,41.5 128.469,54.969 v2(138,54.969)
SDA_ISO: J1.8A J1.8B R9.1 U4.2 | length 19.8
  Top Layer w0.5: J1.8B@2.81,29.285 J1.8A@5.35,29.285 10.6,29.285 10.675,29.21 ; R9.1@10,30.475 10.25,30.475 10.675,30.05 10.675,29.21 ; U4.2@18.7,24.2 18.15,24.2 14.664,27.686 11.938,27.686 10.675,28.949 10.675,29.21
"Soft START": Q7.1 SOFT.1 U5.12 U9.4 | length 127.5
  Top Layer w0.421: 118.088,45.703 U9.4@118.876,45.703
  Top Layer w0.5: U5.12@28.125,33.93 31.622,33.93 v2(35,37.309) ; v2(60,37.309) 60.021,37.288 60.021,29.92 SOFT.1@60.071,29.87 ; Q7.1@89.266,65.474 92.026,65.474 94.5,63 v2(94.5,50) ; v2(117,45.5) 117.03,45.5 117.232,45.703 118.088,45.703
  Bottom Layer w0.5: v2(35,37.309) v2(60,37.309) 65.249,37.309 65.386,37.446 66.083,37.446 68.627,39.99 68.627,40.672 73.454,45.5 94,45.5 ; v2(94.5,50) 94.5,46 94,45.5 ; v2(117,45.5) 94,45.5
"SOFT START ISO": J1.6A J1.6B U5.5 | length 17.3
  Top Layer w0.5: J1.6B@2.81,36.905 J1.6A@5.35,36.905 11.733,36.905 14.166,34.472 17.329,34.472 17.871,33.93 U5.5@18.875,33.93
SW: C13.1 D4.2 Q1.1 Q1.2 Q1.3 Q2.5 Q3.1 Q3.2 Q3.3 Q3.4 R6.1 U2.10 U3.8 | length 23.6
  Top Layer w0.5: U2.10@130.37,17.866 131.712,17.866 132.574,17.004 C13.1@132.824,17.004 135.368,17.004 v2(136.144,17.78) ; Q3.1@141.35,20.334 141.464,20.334 Q3.1@141.478,20.32 ; U3.8@154.715,29.13 154.734,29.111 156.096,29.111 157,28.207 157,24.028 156.707,23.735 R6.1@154.865,23.735
  Bottom Layer w0.5: v2(136.144,17.78) 138.43,20.066 141.986,20.066 141.986,20.459 142.5,20.973 v1(142.5,21)
  other v1: 143.25,19.5 144.75,19.5 146.25,19.5 147.75,19.5 149.25,19.5 150.75,19.5 144,21 145.5,21 147,21 148.5,21 150,21 151.5,21 153,21 154.5,21 143.25,22.5 144.75,22.5 146.25,22.5 147.75,22.5 149.25,22.5 150.75,22.5 152.25,22.5 142.5,24 150,24 151.5,24 153,24 150.75,25.5
TG: Q1.4 Q3.5 U2.11 | length 23.4
  Top Layer w0.343: U2.11@130.37,18.516 v2@132.266,18.516
  Top Layer w0.5: v2@132.266,18.516 132.484,18.516 v2(132.5,18.5) ; Q3.5@141.35,25.134 141.45,25.234 142.204,25.234 142.47,25.5 v2(142.5,25.5) ; Q1.4@148.262,24.56 148.362,24.66 148.362,25.333 148.5,25.47 v2(148.5,25.5)
  Bottom Layer w0.5: v2(132.5,18.5) 135.5,18.5 v2(142.5,25.5) v2(148.5,25.5)
VBat: "U1. "@142.666,53.723 C62.2 C63.2 C64.2 Q4.8 Q5.8 R21.2 U7.2 U7.3 VBAT.1 | length 119.2
  Top Layer w1: U7.3@47.006,67.761 U7.2@48.276,67.761 ; U7.3@47.006,67.786 48.46,69.24 49.982,69.24 51.5,67.722 51.5,64 v2(52.5,64) 53.04,64.54 C64.2@59.583,64.54 C63.2@62.837,64.54
  PWR w1: v2(52.5,64) 58.5,70 125,70 135,60 135,55.5 135.75,54.75 v1(135.75,52.5)
  other v1: 142.5,42 142.5,45 142.5,48 154.5,48 156,48 153.75,49.5 155.25,49.5 156.75,49.5 159.75,49.5 132,51 133.5,51 135,51 136.5,51 138,51 139.5,51 141,51 142.5,51 153,51 154.5,51 156,51 157.5,51 159,51 160.5,51 160.881,52.222 132.75,52.5 134.25,52.5 137.25,52.5 138.75,52.5 140.25,52.5 144.75,52.5 146.25,52.5 147.75,52.5 149.25,52.5 150.75,52.5 152.25,52.5 153.75,52.5 155.25,52.5 156.75,52.5 158.25,52.5 159.75,52.5 147,54 148.5,54 150,54 151.5,54 153,54 154.5,54 156,54 157.5,54 159,54
pads on no net: FD1.0 FD2.0 FD3.0 MH1.1 MH2.1 MH3.1 MH4.1 Q4.4 Q5.4 U1.7 U2.9 U3.4 U6.4 U6.5 U9.10
copper on no net: | length 1
  Top Layer w0.381: 47.991,-75.683 47.991,-74.733

## Polygon pours and split planes (outlines as drawn)
AGND on Top Layer "AGND_L01_P115" (solid, remove dead copper, pour order 115): 25.156,71.302 25.156,0.23 25.156,0 168,0 168,71
P_IN on Top Layer "P_IN_L01_P100" (solid, pour order 100): 90.5,47.5 72.5,47.5 71.5,6 93.5,4.14 93.5,47.5
"GND ISO" on Top Layer "GND_ISO_L01_P119" (solid, pour order 119): 0,71 23.389,71 23.389,0 0,0
AGND on Top Layer "AGND_L01_P098" (solid, pour order 98): 79.629,21.336 79.629,6.096 87.503,6.096 87.503,21.336
AGND on Top Layer "AGND_L01_P097" (solid, pour order 97): 80.01,44.958 80.01,29.718 87.884,29.718 87.884,44.958
AGND on Top Layer "AGND_L01_P116" (solid, pour order 116): 79.784,45.067 79.784,29.827 87.658,29.827 87.658,45.067
P_IN on Top Layer "P_IN_L01_P093" (solid, pour order 93): 92.321,35.5 124,35.5 124,30.763 92.321,30.763
VBat on Top Layer "VBAT_L01_P096" (solid, remove dead copper, pour order 96): 129.916,55 161.298,55 161.298,45.572 152.281,41.571 129.612,41.571
+3V3 on Top Layer "+3V3_L01_P090" (solid, pour order 90): 60.706,21.336 70.866,21.336 70.866,11.938 70.866,7.112 62.466,7.112
P_IN on Top Layer "P_IN_L01_P095" (solid, pour order 95): 95,61 95,52.5 115,52.5 115,61
P_IN on Top Layer "P_IN_L01_P099" (solid, pour order 99): 154.432,45.72 160.528,45.72 152.654,26.416 139.738,25.262 135,22.5 122.5,22.5 122.5,40.126
NetMP2_1 on Top Layer "NETMP2_1_L01_P088" (solid, pour order 88): 137.5,69 147.5,69 147.5,59.5 147,59 144.5,59 144.501,58.999 144.501,57.275 144.444,57.331 140.856,57.331 140.5,57.687 140.5,59.5 137.5,59.5
+11V on Top Layer "+11V_L01_P091" (solid, pour order 91): 46,47 46,36 47.5,36 47.5,33.5 56,33.5 56.5,34 56.5,47
P_IN on Top Layer "P_IN_L01_P086" (solid, pour order 86): 162.366,46.342 153.984,46.342 149.059,41.417 149.059,35.112 154.692,35.112 155,35.42 155,40.5 162.366,40.5
NetC78_2 on Top Layer "NETC78_2_L01_P085" (solid, pour order 85): 143.764,50.673 152.146,50.673 152.146,46.609 151.765,46.228 144.526,46.355 144.145,47.625 143.764,48.006
P_IN on Top Layer "P_IN_L01_P089" (solid, pour order 89): 91.8,16.818 121,16.818 121,12.5 91.8,12.5
P_IN on Top Layer "P_IN_L01_P092" (solid, pour order 92): 90.646,25.95 124.301,25.95 124.301,21.632 90.646,21.632
NetMOT_1 on Top Layer "NETMOT_1_L01_P087" (solid, pour order 87): 157,13 165,13 165,27 159,27 159,25.5 159,22 157,22
SW on Top Layer "SW_L01_P094" (solid, pour order 94): 140.5,26.162 143.764,26.162 149.606,25.908 155.673,25.644 155.673,17.248 140.5,17.5
+3V3 on PWR "+3V3_L03_P110" (solid, pour order 110): 25.111,71 25.252,70.859 25.252,10.16 46,10.16 46,47 56.5,47 56.5,7 71.474,7 72.5,8.026 72.5,47.5 95,47.5 95,61 115,61 115,40 131.5,40 131.5,57.156 131.844,57.5 163.156,57.5 163.156,40.656 163,40.5 159,40.5 155,36.5 155,30 167.5,30 167.5,70.5
VBat on PWR "VBAT_L03_P106" (solid, remove dead copper, pour order 106): 131.844,57.5 163.156,57.5 163.156,51.308 153.924,40.981 131.47,40.981
"+5V ISO" on PWR "+5V_ISO_L03_P113" (solid, pour order 113): 0,71 24.186,71 24.047,70.861 24.047,0 0,0
+11V on PWR "+11V_L03_P108" (solid, pour order 108): 24.841,10.16 45.974,10.16 57.216,7.259 123.952,8.89 137.795,19.05 155.576,18.2 168,18.2 168,0.371 24.841,0
+11V on PWR "+11V_L03_P107" (solid, pour order 107): 46,47 46,0 57.04,0 56.5,47
P_IN on PWR "P_IN_L03_P109" (solid, pour order 109): 95,61 95,47.5 72.5,47.5 72.5,5.715 124,9 137.795,19.05 140,19.05 140,40.005 139.065,40.005 138.938,39.878 115,40 115,61
P_IN on PWR "P_IN_L03_P105" (solid, pour order 105): 163,51.054 163.156,40.656 163,40.5 159,40.5 153,34.5 153,30 135,30 135,40 153.924,40.656
SW on PWR "SW_L03_P104" (solid, pour order 104): 140.197,18.062 155,18.062 155,30 140.197,30
NetMOT_1 on PWR "NETMOT_1_L03_P103" (solid, pour order 103): 156.872,13.015 168,13.015 168,26.985 156.872,26.985
AGND on Bottom Layer "AGND_L04_P118" (solid, remove dead copper, pour order 118): 25.177,71 25.138,70.961 25.138,0 168,0 168,71
"GND ISO" on Bottom Layer "GND_ISO_L04_P114" (solid, pour order 114): 0,71 23.389,71 23.389,0 0,0
SW on Bottom Layer "SW_L04_P112" (solid, pour order 112): 141.068,17.248 155.673,17.248 155.673,29.186 141.068,29.186
NetMOT_1 on Bottom Layer "NETMOT_1_L04_P111" (solid, pour order 111): 156.872,13 165,13 165,26.97 156.872,26.97
AGND on GND "AGND_L02_P102" (solid, pour order 102): 25.156,71 25.156,0.23 25.156,0 167.77,0.23 168,71
"GND ISO" on GND "GND_ISO_L02_P101" (solid, pour order 101): 0,71 21.79,71 23.389,71 23.389,0 0,0

## Silkscreen, mask and mechanical layers (free items; w line width, h text height)
Top Overlay:
  text "BATT" at 139.254,68.254 h1.52
  text "+3V3" at 76.754,62.746 h1 r270
  text "+11V" at 80.254,62.746 h1 r270
  text "SOFT" at 83.754,62.746 h1 r270
  text "PWM" at 72.754,62.246 h1 r270
  text "MOT" at 162.254,22.254 h1.52
  text "MGND" at 131.254,9.254 h1.52
  text "BGND" at 139.254,9.254 h1.52
Bottom Overlay:
  rectangle: 24,59 27,62
  rectangle: 28,59 31,62
  text "ID" at 26.746,62.254 h1.52
  text "REV" at 34.746,62.254 h1.52
  text "the Geec" at 49.664,59.254 h1.52
  text "Buck Converter" at 49.664,56 h1.52
  text "iGND" at 14.986,54.864 h1.52
  text "Designed: Conor Farrell" at 49.664,52.762 h1.52
  text "i+5V" at 14.986,51.054 h1.52
  text "2025-2026" at 34.746,49.254 h1.52
  text "iSense" at 14.986,47.244 h1.52
  text "PWM" at 14.986,43.434 h1.52
  text "EN" at 14.986,39.624 h1.52
  text "SOFT" at 14.986,35.814 h1.52
  text "FAULT" at 14.986,32.004 h1.52
  text "SDA" at 14.986,28.194 h1.52
  text "SCL" at 14.986,24.384 h1.52
  text "NC" at 14.986,20.574 h1.52
  text "AGND" at 14.986,16.764 h1.52
  text "+11V" at 14.986,12.954 h1.52

## Text inside footprints (layer, text, board x,y; h text height)
C17: Top Overlay "+" at 106.426,57.023 h1.52; Top Overlay "-" at 106.299,46.355 h1.52; Bottom Overlay "+" at 106.426,57.023 h1.52; Bottom Overlay "-" at 106.299,46.355 h1.52
C21: Top Overlay "-" at 85.718,38.647 h1.52 r90; Top Overlay "+" at 75.05,38.774 h1.52 r90; Bottom Overlay "+" at 75.05,38.774 h1.52 r90; Bottom Overlay "-" at 85.718,38.647 h1.52 r90
C26: Top Overlay "-" at 85.894,14.771 h1.52 r90; Top Overlay "+" at 75.226,14.898 h1.52 r90; Bottom Overlay "-" at 85.894,14.771 h1.52 r90; Bottom Overlay "+" at 75.226,14.898 h1.52 r90
J1: Top Overlay "1" at -2539.594,-2491.602 h1.52 r270; Bottom Overlay "1" at 8.253,55.753 h1.52 r270
LG1: Bottom Overlay "SEM" at 60,5 h6